# KiCad board espiff_v3_1.kicad_pcb (continued)
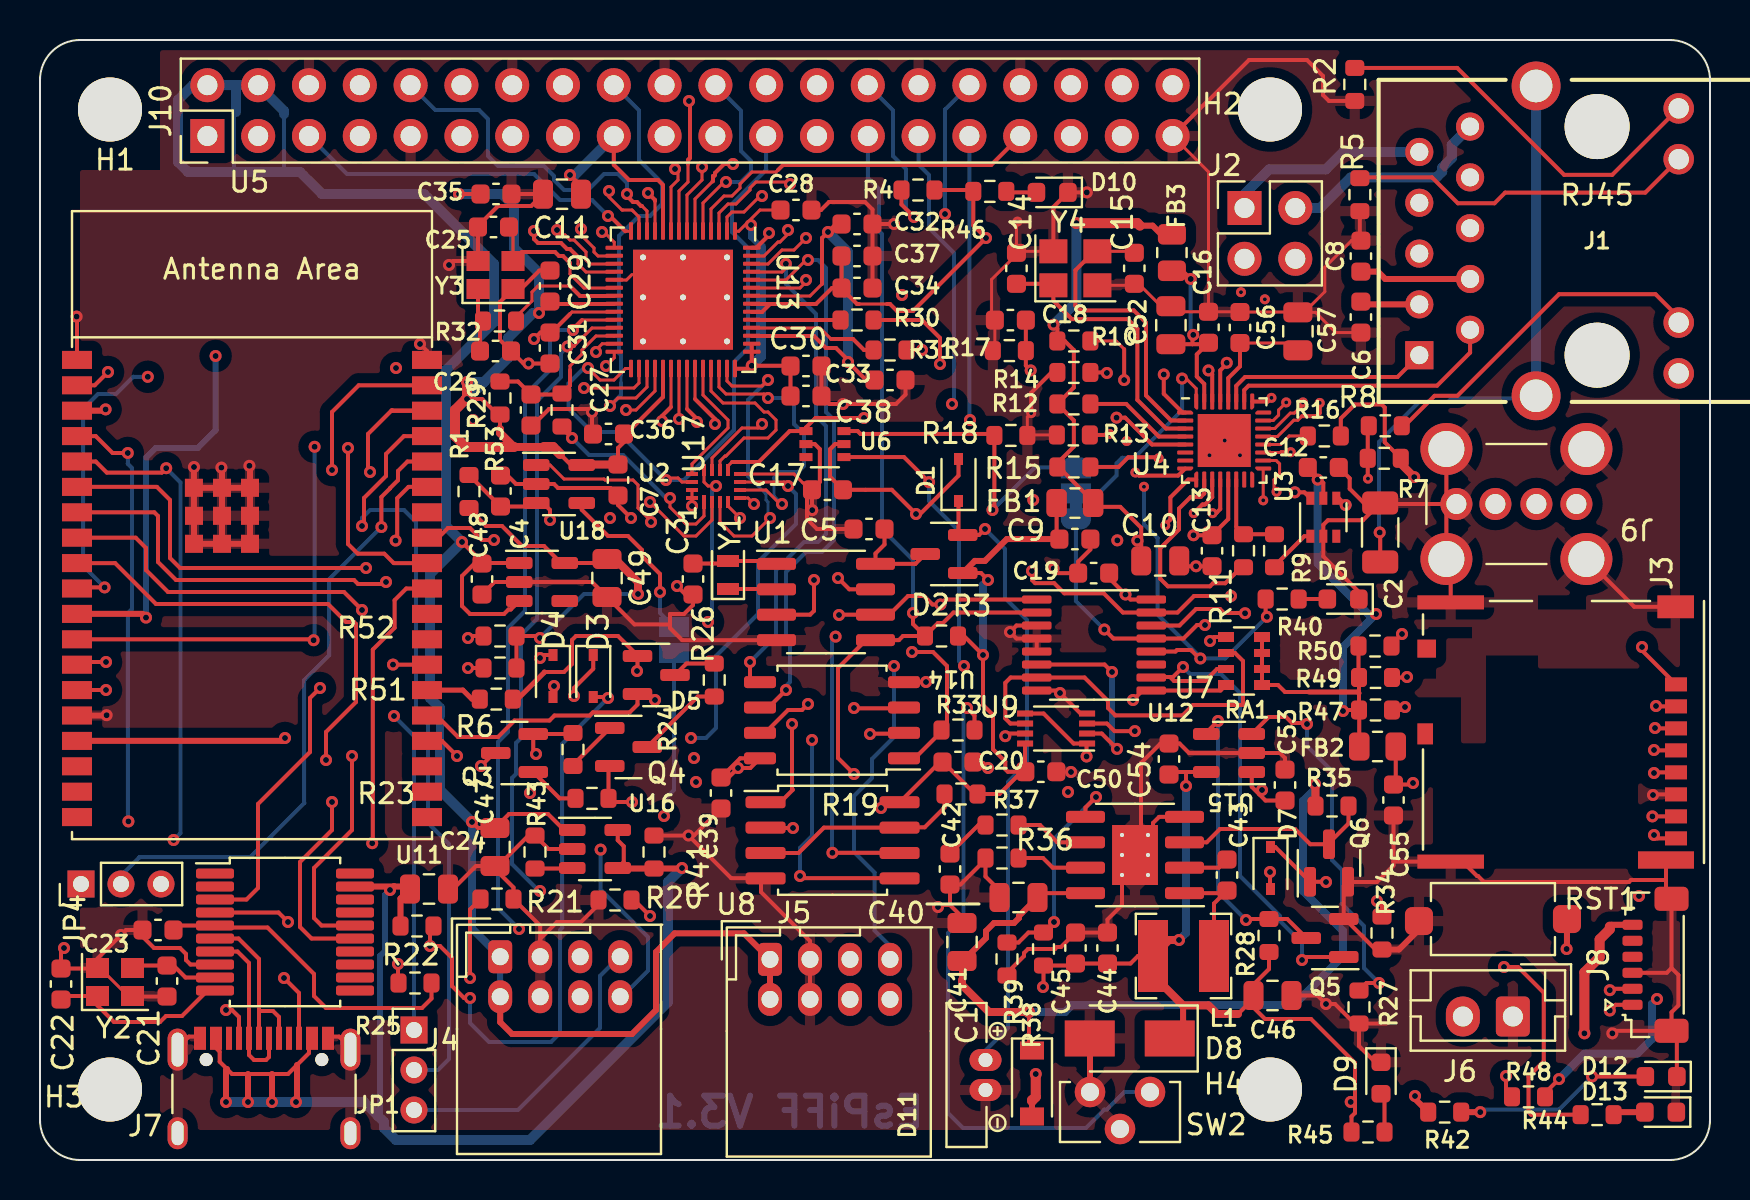
[diagram p0: board, top side]
## Footprints (pads in the part's own frame, mm; a bottom-side part is the same pattern mirrored in y, then rotated) (continued)
  rrect 0.2x0.8 smd: 10(-1,-1.95) 11(-0.6,-1.95) 12(-0.2,-1.95) 13(0.2,-1.95) 14(0.6,-1.95) 15(1,-1.95) 26(1,1.95) 27(0.6,1.95) 28(0.2,1.95) 29(-0.2,1.95) 30(-0.6,1.95) 31(-1,1.95)
  rect 2.65x2.65 smd: 33(0,0)
R_0603_1608Metric
  rrect 0.8x0.95 smd: 1(-0.825,0) 2(0.825,0)
R_0805_2012Metric
  rrect 1.025x1.4 smd: 1(-0.912,0) 2(0.912,0)
R_Array_Convex_4x0603
  rect 0.8x0.5 smd: 1(-0.9,1.2) 4(-0.9,-1.2) 5(0.9,-1.2) 8(0.9,1.2)
  rect 0.8x0.4 smd: 2(-0.9,0.4) 3(-0.9,-0.4) 6(0.9,-0.4) 7(0.9,0.4)
SOIC8-1EP_3.9x4.9mm_P1.27_ThermalVias
  rrect 0.96x1.25 smd: (-0.57,0.75) (-0.57,-0.75) (0.57,0.75) (0.57,-0.75)
  rrect 1.95x0.6 smd: 1(-2.475,1.905) 2(-2.475,0.635) 3(-2.475,-0.635) 4(-2.475,-1.905) 5(2.475,-1.905) 6(2.475,-0.635) 7(2.475,0.635) 8(2.475,1.905)
  round 0.5 hole 0.2: 9(-0.65,1) 9(-0.65,0) 9(-0.65,-1) 9(0.65,1) 9(0.65,0) 9(0.65,-1)
  rect 1.8x2.5 smd far side: 9(0,0)
  rect 2.29x3 smd: 9(0,0)
SOIC8_5.23x5.23mm_P1.27mm_mdc
  rrect 1.6x0.6 smd: 1(-3.35,2.365) 2(-3.35,1.095) 3(-3.35,-0.175) 4(-3.35,-1.445) 5(3.85,-1.445) 6(3.85,-0.175) 7(3.85,1.095) 8(3.85,2.365)
SOIC8_W+N_combi
  rrect 2x0.6 smd: 1(-3.6,1.956) 2(-3.6,0.686) 3(-3.6,-0.584) 4(-3.6,-1.854) 5(3.6,-1.854) 6(3.6,-0.584) 7(3.6,0.686) 8(3.6,1.956)
SOIC-8_3.9x4.9mm_P1.27mm
  rrect 1.95x0.6 smd: 1(-2.475,1.905) 2(-2.475,0.635) 3(-2.475,-0.635) 4(-2.475,-1.905) 5(2.475,-1.905) 6(2.475,-0.635) 7(2.475,0.635) 8(2.475,1.905)
SolderJumper-2_P1.3mm_Open_Pad1.0x1.5mm
  rect 1x1.5 smd: 1(-0.65,0) 2(0.65,0)
SolderJumper-3_P1.3mm_Bridged12_RoundedPad1.0x1.5mm
  custom 1.05x1.5 smd: 1(-1.3,0) 3(1.3,0)
  rect 1x1.5 smd: 2(0,0)
SOT-23
  rrect 1.475x0.6 smd: 1(-0.938,0.95) 2(-0.938,-0.95) 3(0.938,0)
SOT-23-5
  rrect 1.325x0.6 smd: 1(-1.137,0.95) 2(-1.137,0) 3(-1.137,-0.95) 4(1.137,-0.95) 5(1.137,0.95)
SOT-363_SC-70-6
  rect 0.65x0.4 smd: 1(-0.95,0.65) 2(-0.95,0) 3(-0.95,-0.65) 4(0.95,-0.65) 5(0.95,0) 6(0.95,0.65)
SSOP-20_5.3x7.2mm_P0.65mm
  rrect 1.9x0.5 smd: 1(-3.5,2.925) 2(-3.5,2.275) 3(-3.5,1.625) 4(-3.5,0.975) 5(-3.5,0.325) 6(-3.5,-0.325) 7(-3.5,-0.975) 8(-3.5,-1.625) 9(-3.5,-2.275) 10(-3.5,-2.925) 11(3.5,-2.925) 12(3.5,-2.275) 13(3.5,-1.625) 14(3.5,-0.975) 15(3.5,-0.325) 16(3.5,0.325) 17(3.5,0.975) 18(3.5,1.625) 19(3.5,2.275) 20(3.5,2.925)
supercap_DMS3R3224R
  oval 1.1x1.6 hole 0.7: 1(0.75,0) 2(-0.75,0)
TSSOP-16_4.4x5mm_P0.65mm
  rrect 1.475x0.4 smd: 1(-2.862,2.275) 2(-2.862,1.625) 3(-2.862,0.975) 4(-2.862,0.325) 5(-2.862,-0.325) 6(-2.862,-0.975) 7(-2.862,-1.625) 8(-2.862,-2.275) 9(2.862,-2.275) 10(2.862,-1.625) 11(2.862,-0.975) 12(2.862,-0.325) 13(2.862,0.325) 14(2.862,0.975) 15(2.862,1.625) 16(2.862,2.275)
UQFN-16_1.8x2.6_P0.4mm
  rect 0.7x0.2 smd: 1(-0.8,0.6)
  rect 0.6x0.2 smd: 2(-0.8,0.2) 3(-0.8,-0.2) 4(-0.8,-0.6) 9(0.8,-0.6) 10(0.8,-0.2) 11(0.8,0.2) 12(0.8,0.6)
  rect 0.2x0.6 smd: 5(-0.6,-1.2) 6(-0.2,-1.2) 7(0.2,-1.2) 8(0.6,-1.2) 13(0.6,1.2) 14(0.2,1.2) 15(-0.2,1.2) 16(-0.6,1.2)
USB_A_C26235
  round 1.6 hole 1: 1(0.5,0) 2(2.5,0) 3(4.55,0) 4(6.5,0)
  round 2.6 hole 1.8: 5(0,2.75) 5(0,-2.75) 5(7,2.75) 5(7,-2.75)
USB_C_XKB_U262-16XN-4BVC11
  round 0.65 hole 0.65 unplated: (-2.67,2.585) (3.11,2.585)
  rect 0.3x1.15 smd: A1(-3.13,3.65) A4(-2.33,3.65) A5(-1.03,3.65) A6(-0.03,3.65) A7(0.47,3.65) A8(1.47,3.65) A9(2.77,3.65) A12(3.57,3.65) B1(3.27,3.65) B4(2.47,3.65) B5(1.97,3.65) B6(0.97,3.65) B7(-0.53,3.65) B8(-1.53,3.65) B9(-2.03,3.65) B12(-2.83,3.65)
  oval 1x2.1 hole 0.6x1.7: S1(-4.1,3.085) S1(4.54,3.085)
  oval 1x1.6 hole 0.6x1.2: S1(-4.1,-1.095) S1(4.54,-1.095)
VSSOP-8_2.3x2mm_P0.5mm
  rect 0.8x0.3 smd: 1(-1.55,0.75) 2(-1.55,0.25) 3(-1.55,-0.25) 4(-1.55,-0.75) 5(1.55,-0.75) 6(1.55,-0.25) 7(1.55,0.25) 8(1.55,0.75)

## Nets
+1V1: C31.2 C32.2 C33.2 U13.23 U13.45 U13.50
+5V: C44.1 C45.1 C46.1 C47.1 C48.1 C54.1 D8.1 J4.1 J4.2 J5.1 J5.2 J8.6 J10.2 J10.4 L1.2 R28.1 R38.1 R45.1 U12.5 U16.1 U18.1 U18.3
/3V3: C7.1 C9.1 C11.1 C12.1 C17.1 C19.1 C20.1 C28.2 C29.2 C30.2 C34.2 C35.2 C36.2 C37.2 C38.2 C39.1 C49.1 C50.1 D1.2 D2.1 FB1.1 FB2.1 J10.1 J10.17 R1.1 R3.1 R4.1 R19.1 R29.1 R46.1 R47.1 R48.1 R49.1 R50.1 R51.1 R52.1 RA1.1 RA1.2 RA1.3 RA1.4 U2.5 U3.5 U5.2 U6.5 U7.16 U8.8 U9.8 U13.1 U13.10 U13.22 U13.33 U13.42 U13.43 U13.44 U13.48 U13.49 U14.8 U17.15 U17.16 U18.5
/5V_microUSB: C24.1 D7.2 J7.A4 J7.A9 J7.B4 J7.B9 R22.1 R41.1 U11.19 U16.4 U16.5
/24Vin: C40.1 C41.1 D11.1 R35.1 U15.8
/ethernet/VDD33_PHY: C10.1 C13.1 FB1.2 FB3.2 J1.11 R7.1 R10.1 R12.1 R15.1 R16.1 U4.13
GND: C1.2 C2.2 C3.1 C4.2 C5.2 C6.2 C7.2 C8.2 C9.2 C10.2 C11.2 C12.2 C13.2 C14.1 C15.1 C16.2 C17.2 C18.2 C19.2 C20.2 C21.1 C22.1 C23.2 C24.2 C25.1 C26.1 C27.1 C28.1 C29.1 C30.1 C31.1 C32.1 C33.1 C34.1 C35.1 C36.1 C37.1 C38.1 C39.2 C40.2 C41.2 C42.2 C44.2 C45.2 C46.2 C47.2 C48.2 C49.2 C50.2 C52.2 C53.2 C54.2 C55.2 C56.2 C57.2 D6.1 D8.2 D9.1 D10.1 D12.1 D13.1 J3.6 J3.P1 J3.P2 J3.P3 J3.P4 J4.3 J4.4 J5.3 J5.4 J6.1 J7.A1 J7.A12 J7.B1 J7.B12 J7.S1 J8.3 J8.MP J9.4 J9.5 J10.6 J10.9 J10.14 J10.20 J10.25 J10.30 J10.34 J10.39 Q5.2 Q6.2 R2.2 R5.1 R13.2 R14.2 R17.2 R18.2 R20.2 R21.2 R27.2 R34.2 R36.2 R39.2 R41.2 R43.2 RST1.1 SW2.1 SW2.3 U1.4 U2.2 U3.2 U4.33 U5.1 U5.15 U5.38 U5.39 U6.2 U7.3 U7.4 U7.5 U7.8 U8.4 U9.4 U11.8 U12.2 U13.19 U13.57 U14.4 U15.4 U15.9 U16.2 U17.8 U18.2 Y2.2 Y2.4 Y3.2 Y3.4 Y4.2 Y4.4
/ESP32_EN: C4.1 Q3.3 R1.2 RST1.2 U2.3 U5.3 U7.15
/ESP_SCL: J10.28 R4.2 U1.6 U5.8 U7.1
/ESP_SDA: J10.27 R3.2 U1.5 U5.9 U7.2
/Eth_CRS_DV: U4.19 U5.12
/Eth_MDC: U4.22 U5.37
/Eth_MDIO: R10.2 U4.23 U5.30
/ETH_RefClock: R9.2 U3.1
/Eth_RXD0: U4.18 U5.10
/Eth_RXD1: U4.17 U5.11
/Eth_TX_EN: U4.5 U5.33
/Eth_TXD0: U4.9 U5.31
/Eth_TXD1: U4.8 U5.36
/ethernet/PHY_AD0: R7.2 R8.2 U4.11
/ethernet/PHY_AD3: J1.13 R5.2 U4.12
/ethernet/RD+: J1.1 U4.27
/ethernet/RD-: J1.2 U4.26
/ethernet/TD+: J1.5 U4.30
/ethernet/TD-: J1.6 U4.29
/GPIO0: D5.1 R6.1 U3.4
/GPIO2: D5.2 U5.24 U6.4
/HF_MISO: J4.5 JP4.3
/HF_MOSI: J4.7 JP1.3
/pico_SWCLK: J5.6 U13.24
/pico_SWDIO: J5.8 U13.25
/psu/EN_ESIB: Q6.3 R35.2 U15.3
/raspi_header/Pi_GPIO2_SDA: J10.3 R51.2 U13.13
/raspi_header/Pi_GPIO3_SCL: J10.5 R52.2 U13.14
/raspi_header/Pi_GPIO4_CLK0: J10.7 U13.35
/raspi_header/Pi_GPIO5_CLK1: J10.29 U13.36
/raspi_header/Pi_GPIO6_CLK2: J10.31 U13.37
/raspi_header/Pi_GPIO7_~{CS1}: J10.26 U13.16
/raspi_header/Pi_GPIO8_~{CS0}: J10.24 U13.28 U17.2
/raspi_header/Pi_GPIO9_MISO0: J10.21 U13.30 U17.11
/raspi_header/Pi_GPIO10_MOSI0: J10.19 U13.27 U17.5
/raspi_header/Pi_GPIO11_SCK0: J10.23 U13.29 U17.14
/raspi_header/Pi_GPIO12_PWM0: J10.32 U13.3
/raspi_header/Pi_GPIO13_PWM1: J10.33 U13.4
/raspi_header/Pi_GPIO14_TXD: J10.8 U13.11
/raspi_header/Pi_GPIO15_RXD: J10.10 U13.12
/raspi_header/Pi_GPIO16: J10.36 U13.6
/raspi_header/Pi_GPIO17: J10.11 U13.8
/raspi_header/Pi_GPIO18_PWM0: J10.12 U13.2
/raspi_header/Pi_GPIO19_MISO1: J10.35 U13.18
/raspi_header/Pi_GPIO20_MOSI1: J10.38 U13.15
/raspi_header/Pi_GPIO21_SCK1: J10.40 U13.17
/raspi_header/Pi_GPIO22: J10.15 U13.7
/raspi_header/Pi_GPIO23: J10.16 U13.9
/raspi_header/Pi_GPIO24: J10.18 U13.31
/raspi_header/Pi_GPIO25: J10.22 U13.5
/raspi_header/Pi_GPIO26: J10.37 U13.32
/raspi_header/Pi_GPIO27: J10.13 U13.34
/raspi_header/QSPI_SCK: U13.52 U14.6
/raspi_header/QSPI_~{SS}: R33.1 U13.56 U14.1
/raspi_header/SPI2ESP_~{CS}: U9.7 U17.4
/raspi_header/~{USB_BOOT}: R33.2 SW2.2
/RTC_CLKOUT: U1.7 U5.6
/RTC_VCC: C5.1 D2.3 U1.8
/RTC_WTI: JP2.2 RA1.8 U7.9
/RTC_~{INT}: U1.3 U5.7
/SPI_MISO: J3.7 U6.1 U8.2 U17.9
/SPI_MOSI: J3.3 R47.2 U5.23 U8.5 U17.7
/SPI_SCK: J3.5 U5.13 U8.6 U17.12
/TFT_MISO: J4.6 J8.2 U5.5
/TFT_MOSI: J4.8 J8.1 U5.29
/TR00: J1.10 J2.2
/TR01: J1.9 J2.1
/TR02: J2.4
/TR03: J2.3
/U0RXD: D4.2 JP4.1 R25.2
/U0TXD: D3.1 JP1.1
/U8_PU_3_7: R19.2 U8.3 U8.7
/UHF_MISO: J5.5 U5.4
/UHF_MOSI: J5.7 U5.26
/usb_uart/USBc_D+: J7.A6 J7.B6 U11.6
/usb_uart/USBc_D-: J7.A7 J7.B7 U11.7
/~{PHY_Reset}823: JP3.3 R18.1 U2.1 U3.6 U6.6
/~{PHY_Reset}_I2C: JP3.1 R42.2 U7.13
/~{SPI_CS0}: U5.16 U9.1 U9.5
/~{SPI_CS1}: U5.14 U8.1
/~{SPI_PICO}: RA1.5 U7.6 U9.2
/~{SPI_SDcard}: RA1.6 U7.7 U9.6
/~{sw_SPI2ESP32}: R40.2 R53.2 U7.12 U17.1
/~{USB_Host_PWR}: Q5.1 RA1.7 U7.10
Net-(C1-Pad1): C1.1 D1.1 D2.2
Net-(C2-Pad1): C2.1 J1.GND
Net-(C3-Pad2): C3.2 U1.1 Y1.2
Net-(C6-Pad1): C6.1 J1.3
Net-(C8-Pad1): C8.1 J1.4
Net-(C14-Pad2): C14.2 U4.3 Y4.1
Net-(C15-Pad2): C15.2 U4.2 Y4.3
Net-(C16-Pad1): C16.1 C52.1 FB3.1 U4.31
Net-(C18-Pad1): C18.1 JP3.2 R17.1 U4.32
Net-(C21-Pad2): C21.2 U11.9 Y2.3
Net-(C22-Pad2): C22.2 U11.10 Y2.1
Net-(C23-Pad1): C23.1 R25.1 U11.5
Net-(C25-Pad2): C25.2 U13.20 Y3.3
Net-(C26-Pad2): C26.2 R32.1 Y3.1
Net-(C27-Pad2): C27.2 R29.2 R53.1 U13.26
Net-(C42-Pad1): C42.1 R37.2
Net-(C43-Pad1): C43.1 U15.2
Net-(C43-Pad2): C43.2 L1.1 U15.1
Net-(C53-Pad1): C53.1 J9.1 U12.1
Net-(C55-Pad1): C55.1 FB2.2 J3.4
Net-(C56-Pad1): C56.1 C57.1 U4.28
Net-(D3-Pad2): D3.2 R22.2 U11.4
Net-(D4-Pad1): D4.1 U11.3
Net-(D5-Pad3): D5.3 R26.2
Net-(D6-Pad2): D6.2 R40.1
Net-(D7-Pad1): D7.1 Q6.1 R34.1
Net-(D9-Pad2): D9.2 R45.2
Net-(D10-Pad2): D10.2 R46.2
Net-(D11-Pad2): D11.2 J6.2
Net-(D12-Pad2): D12.2 R42.1
Net-(D13-Pad2): D13.2 R44.1
Net-(J1-Pad12): J1.12 R8.1
Net-(J1-Pad14): J1.14 R2.1
Net-(J3-Pad1): J3.1 R50.2
Net-(J3-Pad2): J3.2 R49.2 U9.3
Net-(J3-Pad8): J3.8 R48.2
Net-(J7-PadA5): J7.A5 R20.1
Net-(J7-PadB5): J7.B5 R21.1
Net-(J9-Pad2): J9.2 R31.1
Net-(J9-Pad3): J9.3 R30.1
Net-(JP1-Pad2): JP1.2 U5.35
Net-(JP2-Pad1): JP2.1 U2.4
Net-(JP4-Pad2): JP4.2 U5.34
Net-(Q3-Pad1): Q3.1 R23.2
Net-(Q3-Pad2): Q3.2 R24.1 U11.16
Net-(Q4-Pad1): Q4.1 R24.2
Net-(Q4-Pad2): Q4.2 R23.1 U11.15
Net-(Q4-Pad3): Q4.3 R26.1
Net-(Q5-Pad3): Q5.3 R28.2 U12.4
Net-(R6-Pad2): R6.2 U5.25
Net-(R11-Pad1): R9.1 R11.1 U4.14
Net-(R11-Pad2): R11.2 U4.10
Net-(R12-Pad2): R12.2 U4.4
Net-(R13-Pad1): R13.1 U4.25
Net-(R14-Pad1): R14.1 U4.1
Net-(R15-Pad2): R15.2 U4.21
Net-(R16-Pad2): R16.2 U4.20
Net-(R27-Pad1): R27.1 U12.3
Net-(R30-Pad2): R30.2 U13.47
Net-(R31-Pad2): R31.2 U13.46
Net-(R32-Pad2): R32.2 U13.21
Net-(R36-Pad1): R36.1 U15.7
Net-(R37-Pad1): R37.1 U15.6
Net-(R38-Pad2): R38.2 R39.1 U15.5
Net-(R43-Pad1): R43.1 U16.3
Net-(R44-Pad2): R44.2 U7.14
Net-(U1-Pad2): U1.2 Y1.1
Net-(U13-Pad38): U13.38 U17.13
Net-(U13-Pad39): U13.39 U17.10
Net-(U13-Pad40): U13.40 U17.6
Net-(U13-Pad41): U13.41 U17.3
Net-(U13-Pad51): U13.51 U14.7
Net-(U13-Pad53): U13.53 U14.5
Net-(U13-Pad54): U13.54 U14.3
Net-(U13-Pad55): U13.55 U14.2

Pads without a net: J1 7 8; J3 9 10; J7 A8 B8; J8 4 5; U3 3; U4 6 7 15 16 24; U5 17 18 19 20 21 22 27 28 32; U6 3; U7 11; U11 1 2 11 12 13 14 17 18 20; U18 4

## Via types
v1: diameter 0.6, hole 0.3, Top to Bottom, 282 vias
v2: diameter 0.5, hole 0.2, Top to Bottom, 23 vias

## Routing (per net, layer and track width the routed paths; a pad name or vN(x,y) marks a point on that pad's centre or on a via; arc(x,y) is an arc through that point)
+1V1: length 43.9
  Top w0.15: 39.1,43.8 38.5,43.2 35.59,43.2 ; 26.5,42.3 26.6,42.4 28.71,42.4
  Top w0.2: v1(40.4,39.9) 41.3,39 C33.2 ; 40.35,40.05 39.8,40.6 39.3,40.6 38.7,41.2 35.59,41.2 ; 40.08,46.8 39.8,46.8 v1(39.4,46.4) 39.1,46.1 39.1,43.8 ; 26.5,42.3 25.58,41.38 C31.2 25.02,41.38 v1(24.7,41.05)
  In2.Cu w0.4: 40.4,41.05 39.3,42.15 28.1,42.15 27.7,42.55 26.55,42.55 25.9,41.9 25.9,41.75 25.2,41.05 v1(24.7,41.05)
  In2.Cu w0.5: 40.4,41.05 v1(40.4,39.9)
  Bottom w0.5: v1(39.4,46.4) 40.4,45.4 v1(40.4,39.9)
+5V: length 189.6
  Top w0.2: U18.1 22.12,29.85 C48.1 ; C48.1 22.1,29.9 v1(21.1,30.9) ; C48.1 21.73,29.83 21.1,29.2 21.1,27.7 21.5,27.3 23.2,27.3 23.43,27.53 23.54,27.53 U18.3 ; 57.3,19.4 56.58,19.4 C54.1 ; 57.3,19.4 v1(57.3,18.7) ; 57.3,19.4 U12.5 ; U16.1 26.2,16.5 25.4,17.3 23.45,17.3 C47.1 21.9,16.6 v1(21.6,16.9) ; C46.1 60.67,8.08 59.9,7.3 ; C46.1 60.67,7.62 61.25,7.05 63.55,7.05 65.75,4.85 65.75,2.35 65.58,2.17 R45.1 ; C46.1 60.67,8.78 61.45,9.55 R28.1 ; v1(50.15,8.65) 50.17,8.67 R38.1 51.67,9.72 C45.1 C44.1 54.53,9.83 54.9,10.2 L1.2
  Top w0.3: D8.1 57.15,6.75 57.15,7.73 ; J4.2 23.01,6.89 23.6,6.3 29.6,6.3 30.8,7.5 30.8,10.4 31.73,11.33 35.2,11.33 J5.1 J5.2 ; J8.6 78.58,11.76 78.49,11.67
  Top w0.4: v1(56.95,11) 56.45,11 L1.2 55.65,9.23 57.15,7.73 58.42,7.73 58.85,7.3 59.9,7.3
  Top w0.5: v1(77.22,6.33) 77.22,9.38 77.98,10.14 77.98,11.03 78.49,11.54 78.49,11.67
  In2.Cu w0.4: v1(50.15,8.65) 46.5,8.65 44.15,6.3 37.4,6.3 36.5,7.2 J5.2
  In2.Cu w0.5: v1(77.22,6.33) 76.2,6.33 74.68,4.81 74.68,3.79 74.05,3.16 72.9,3.16 71.76,4.3 66.93,4.3 v1(65.54,2.9)
  Bottom w0.2: 9.8,52.4 9.7,52.3 9.7,49.4 ; 12.2,52.3 12.2,49.4
  Bottom w0.3: J4.2 J4.1
  Bottom w0.4: v1(56.95,11) 57.3,11.35 v1(57.3,18.7) ; v1(21.6,16.9) 21.6,11.57 J4.1 ; 20,22.2 20,20.7
  Bottom w0.5: v1(21.6,16.9) 20,18.5 20,20.7 ; 9.8,52.4 9.8,53.7 9.84,53.74 ; 9.84,53.74 J10.4 12.2,52.45 12.2,52.3 ; 9.84,53.74 J10.2 7.64,53.74 6.9,53 6.9,49.9 7.4,49.4 13,49.4 14.1,48.3 19.2,48.3 22.7,44.8 22.7,41.9 20.3,39.5 20.3,31.7 v1(21.1,30.9) 19.5,29.3 19.5,23.1 20,22.6 20,22.2
/3V3: length 389.3
  Top w0.15: 40.95,42.8 42.35,42.8 ; U17.15 U17.16 v1(32.6,32.7) ; C28.2 36,47.5 34.94,46.44 34.75,46.44
  Top w0.2: R47.1 65.96,22.49 FB2.1 ; R47.1 R49.1 65.92,24.15 R50.1 ; R47.1 65.2,22.5 v1(65.15,22.45) ; v1(3.4,39.4) 2.73,38.73 U5.2 ; 44.72,48.5 46.59,48.5 R46.1 46.67,46.73 v1(47.3,46.1) 43.65,42.45 42.85,42.45 42.5,42.8 42.35,42.8 ; C7.1 28.9,35.6 29.2,35.9 29.2,36.6 ; C20.1 45.15,19.9 46.75,18.3 R19.1 47.97,18.3 49.25,19.58 49.25,20.8 ; v1(35.59,39.71) 35.59,40.8 ; v1(35.59,39.71) 35.44,39.56 34.75,39.56 ; v1(35.59,39.71) 37.51,39.71 C30.2 C38.2 ; 31.15,46.44 31.15,48.75 30.9,49 29.45,49 28.69,49.76 J10.17 ; C19.1 53.46,29.09 v1(54.28,28.27) 54.53,28.02 U7.16 ; 43.2,17.91 43.2,18.1 44.92,19.81 44.92,19.85 44.95,19.85 ; 26,35.3 26.55,34.75 U2.5 ; v1(75.95,4.05) 75.25,3.35 R48.1 ; FB1.1 50.83,31.18 C9.1 ; 40.08,43.6 40.08,43.58 40.85,42.8 40.95,42.8 ; 40.08,43.6 40.08,45.2 ; 40.08,43.6 39.6,43.6 38.8,42.8 36.5,42.8 ; 31.15,39.56 31.15,38.15 29.3,36.3 C36.2 ; RA1.4 RA1.3 RA1.2 RA1.1 61.9,23.75 62.25,23.4 63.45,23.4 ; D1.2 45.92,34.22 44.01,32.3 v1(43.8,32.3) 42.59,33.51 C17.1 39.5,34.16 39.5,35.54 39.75,35.8 U6.5 ; v1(63.89,34.02) 63.39,34.51 C12.1 64.16,33.85 U3.5 ; v1(35.55,46.75) 35.5,46.75 35.38,46.88 ; 35.59,42.8 36.5,42.8 ; 36.5,42.8 36.1,42.4 35.59,42.4 ; D2.1 47.05,29.35 v1(47.4,29) ; R51.1 R52.1 24.9,26.2 v1(25,26.1) ; v1(42.05,17.6) 42.36,17.91 43.25,17.91 ; v1(21.35,38.05) 22.1,38.05 22.88,37.27 R29.1 23,36.55 ; C50.1 48.39,19.41 48.26,19.54 48.26,19.92 47.65,20.53 47.65,22.25 47.15,22.75 v1(47.15,25.25) 46.2,26.2 R3.1 ; v1(26.5,49.25) 26.8,48.95 26.8,48.54 C11.1 ; 21.45,32.55 22.3,31.7 23.1,31.7 24.1,30.7 25.2,30.7 26.05,29.85 U18.5 28.15,29.85 C49.1 ; C35.2 v1(20.95,48.3) ; 28.71,42.8 25.62,42.8 25.5,42.92 25.5,42.9 v1(24.95,42.35) ; C39.1 35.01,20.09 U14.8 35.52,19.6 v1(34.9,19.6) 34.42,19.12 C39.1
  Top w0.25: 63.45,23.4 65.89,23.4 65.95,23.34
  Top w0.3: D2.1 46.74,29.95 47.25,29.95 48.34,31.05 C9.1
  Top w0.4: C7.1 27.11,34.77 U2.5 ; v1(29.9,28.3) 29.9,28.9 28.75,30.05 C49.1 ; 25.2,35.65 23.7,35.65 23,36.35 23,36.55
  Top w0.5: 25.2,35.65 25.65,35.65 26,35.3 ; 23.7,35.65 21.3,35.65 20.75,36.2 20.75,37.5 21.3,38.05 v1(21.35,38.05) v1(21.35,38.9)
  In2.Cu w0.4: 80.8,11.15 80.8,14.35 81.85,15.4 81.85,26.75 80.6,28 67.5,28 v1(66.8,27.3)
  In2.Cu w0.5: v1(54.28,28.27) 58.2,28.27 59.19,27.29 59.19,26.78 59.69,26.27 63.89,26.27 64.91,27.3 v1(66.8,27.3) ; v1(80.85,8.05) 80.15,8.75 80.15,10.5 80.8,11.15
  In2.Cu w0.8: v1(20.95,48.3) 21.9,49.25 v1(26.5,49.25) ; v1(54.28,28.27) 53.72,28.27 53.4,27.95 49.7,27.95 49.4,28.25 48.3,28.25 47.55,29 v1(47.4,29)
  In3.Cu w1: v1(43.8,32.3) 43.8,31.9 46.7,29 v1(47.4,29)
  In4.Cu w0.4: v1(47.3,46.1) 41.1,46.1 39.8,47.4 36.2,47.4 v1(35.55,46.75) ; 36.4,17.6 v1(42.05,17.6)
  In4.Cu w0.5: 22.95,38.05 22.1,38.9 v1(21.35,38.9) 20.35,38.9 19.5,38.05 ; v1(35.59,39.71) 35.61,39.71 36.3,40.4 ; v1(34.9,19.6) 34.9,19.1 36.4,17.6 ; 38.05,27.85 38.9,27.85 39.3,28.25 40.75,28.25 ; v1(32.6,32.7) 32.6,34.7 32.5,34.8
  In4.Cu w0.8: 44,28.85 47.25,28.85 v1(47.4,29) ; 23.6,34.4 23.6,31.8 24.5,30.9 27,30.9 29.1,28.8 29.4,28.8 v1(29.9,28.3)
  In4.Cu w1: v1(20.95,48.3) 20.9,48.3 20,49.2 8.8,49.2 8.37,49.63 J10.1 ; 38.05,27.85 37.8,28.1 32.9,28.1 32.05,27.25 30.54,27.25 29.9,27.89 v1(29.9,28.3) ; 44,28.85 42.6,28.85 42,28.25 40.75,28.25 ; 22.9,37.09 21.94,38.05 v1(21.35,38.05) 6.5,38.05 6.15,37.7 5,37.7 3.4,39.3 v1(3.4,39.4) ; 22.9,37.09 22.95,37.14 22.95,38.05 ; 22.9,37.09 22.9,35.1 23.6,34.4 23.9,34.7 29.6,34.7 30.4,35.5 31.8,35.5 32.5,34.8 ; v1(43.8,32.3) 42.8,32.3 38.1,37 38.1,38.8 38.2,38.9 38.2,39 36.8,40.4 36.3,40.4
  Bottom w0.2: v1(29.9,28.3) 27.2,28.3 v1(25,26.1)
  Bottom w0.3: v1(35.55,46.75) 35.55,46.15 36.05,45.65
  Bottom w0.4: v1(47.15,25.25) 47.15,28.75 v1(47.4,29) ; v1(21.35,38.05) v1(21.35,38.9) ; v1(80.85,8.05) 80.6,7.8 80.6,6.05 79.87,5.32 77.22,5.32 v1(75.95,4.05) ; v1(65.15,22.45) 65.15,25.65 v1(66.8,27.3) 66.41,27.3 63.89,29.83 v1(63.89,34.02)
  Bottom w0.5: v1(35.59,39.71) 36.05,40.17 36.05,45.65 ; 22.2,38.9 v1(21.35,38.9) ; 22.2,38.9 23.4,40.1 23.4,41.1 24.65,42.35 v1(24.95,42.35) 24.95,44.35 23.7,45.6 23.7,47.7 23.1,48.3 v1(20.95,48.3) ; 22.2,38.9 v1(21.35,38.05) ; J10.17 26.74,49.25 v1(26.5,49.25)
/5V_microUSB: length 102.1
  Top w0.2: 13.75,6.17 13.45,6.17 13.45,5.35 12.4,4.3 9.6,4.3 8.98,4.92 8.98,5.42 8.65,5.75 8.65,6.17 8.95,6.17 ; D7.2 61.5,13.58 v1(61.5,14.4) ; U16.5 28.89,15.99 29.19,15.69 29.19,14.9 U16.4
  Top w0.3: v1(9.3,2.9) 9.3,4.5 9.35,4.55 ; 12.85,4.75 12.85,2.95 v1(12.8,2.9) ; 17.73,13.67 18.38,13.67 C24.1 18.02,13.08 R22.1 ; 17.73,13.67 17.67,13.67 v1(17.5,13.5) ; 17.73,13.67 U11.19 ; 10.4,4.3 v1(10.4,2.9) ; U16.4 28.91,14.58 R41.1 32.08,14.58 v1(32.1,14.6) ; 11.6,4.3 v1(11.6,2.9)
  In2.Cu w0.4: v1(32.1,14.6) 36.4,14.6 37.1,15.3 38.35,15.3 39.05,14.6 39.05,14.5 39.15,14.4 39.85,14.4 40.55,15.1 50.85,15.1 53,12.95 58.35,12.95 59.8,14.4 v1(61.5,14.4)
  Bottom w0.3: 16.9,2.2 17,2.3 17,10.2 17.25,10.45 17.25,13.25 v1(17.5,13.5)
  Bottom w0.5: v1(9.3,2.9) v1(10.4,2.9) v1(11.6,2.9) v1(12.8,2.9) 16.2,2.9 17.2,1.9 17.2,1.6 17.8,1 24.5,1 31.4,7.9 31.4,13.9 v1(32.1,14.6)
/24Vin: length 42.6
  Top w0.2: D11.1 49.45,5.62 v1(49.45,7.4) ; C40.1 50.09,13.34 U15.8
  Top w0.3: C40.1 48.95,12.2 48.95,12.1 48.7,11.85 47.7,11.85 47.3,11.45 47.3,11.1 46.15,9.95 C41.1 46.1,9 ; 49.6,5.5 D11.1
  Top w0.4: v1(63.75,18.8) 63.78,18.77 63.78,17.7 ; 46.1,9 46.1,8.75 47.45,7.4 v1(49.45,7.4)
  Bottom w0.4: v1(49.45,7.4) 51.25,7.4 51.6,7.75 62.7,7.75 65.15,10.2 65.15,11.45 63.15,13.45 63.15,17.95 63.75,18.55 v1(63.75,18.8)
/ethernet/VDD33_PHY: length 74
  Top w0.2: R7.1 67.24,35.88 67.24,37.62 67.09,37.78 65.74,37.78 65.04,37.08 R16.1 ; 55.06,30.91 55.06,31.61 54.01,32.66 52.85,32.66 FB1.2 52.66,32.93 50.93,34.65 R15.1 50.87,34.84 51.69,35.67 51.69,36.98 R12.1 51.69,38.63 51.69,40.49 51.24,40.95 R10.1 50.87,41.57 v1(50.68,41.77) ; 55.06,30.91 54.93,30.91 v1(54.87,30.97) ; 55.06,30.91 C10.1 ; U4.13 59.41,32.05 C13.1 v1(57.67,31.24)
  Top w0.3: 55,46.72 55.63,46.72 56.06,46.28 FB3.2
  Top w0.4: v1(68.71,34.15) 68.04,34.82 R7.1
  Top w0.5: 55,46.72 54.87,46.84 v1(51.82,46.84)
  In2.Cu w0.2: J1.11 80.27,41 80.27,41.51 79.25,42.53 75.82,42.53 71,37.7 69.73,37.7 68.2,36.18 68.2,34.65 v1(68.71,34.15)
  In2.Cu w0.4: v1(54.87,30.97) 57.41,30.97 v1(57.67,31.24) 58.07,30.84 65.41,30.84 v1(68.71,34.15)
  Bottom w0.5: v1(51.82,46.84) 51.82,42.91 v1(50.68,41.77)
GND: length 779
  Top w0.15: U17.8 37.7,34.3 38.15,33.85 38.35,33.85 ; C14.1 48.82,46.87 v2(48.87,46.92) ; C14.1 48.9,45.43 Y4.4 ; C14.1 48.82,45.27 47.58,44.03 47.58,42.16 C18.2 47.74,40.57 R17.2 ; J10.39 58.42,49.41 C16.2 ; Y2.4 3,9.6 4.4,8.2 Y2.2 ; C8.2 65.57,45.97 64.24,44.64 64.24,43.42 63.21,42.38 C57.2 ; C6.2 64.79,41.37 63.77,42.38 C57.2 ; C16.2 59.99,42.41 C56.2 62.88,42.4 C57.2 ; C16.2 56.82,42.41 C52.2 56.05,42.69 54.93,43.81 C15.1 54.64,43.73 Y4.2 ; v2(49.56,37.35) 49.37,37.15 R18.2 49.39,36.25 R13.2 ; 28.71,44 29.33,44 29.6,44.27
  Top w0.2: v2(49.56,37.35) 49.56,38.36 50.58,39.38 R14.2 ; U7.5 U7.4 48.83,26.08 v1(48.5,26.4) 48.83,26.73 U7.3 ; C30.1 C38.1 39.47,37.8 v1(40.15,37.8) 42.8,37.8 43.28,38.27 C33.1 ; 81.84,4.17 81.84,6.19 J8.MP ; R34.2 66.78,10.53 65.25,12.05 Q5.2 65.19,13.7 Q6.2 65.41,13.9 66.85,13.9 67.67,14.72 67.67,14.92 ; J3.P3 70.53,29.84 J9.5 70.32,32.3 J9.4 ; C32.1 41.62,47.52 41.25,47.9 39.45,47.9 39.05,47.5 C28.1 ; C32.1 C37.1 C34.1 ; C32.1 v1(42.7,46.8) ; 31.5,26.78 31.5,26.6 32.11,25.99 U1.4 ; 31.5,26.78 31.5,27.3 32.2,27.3 32.65,27.75 C3.1 32.28,28.27 v1(31.85,28.7) ; 31.5,26.78 29.72,26.78 28.35,28.15 C49.2 27.6,28.9 U18.2 22.73,28.9 C48.2 ; v2(60,35.24) 59.26,35.97 U4.33 ; U4.33 v2(59.24,35.97) ; U4.33 v2(58.47,35.24) ; D9.1 66.76,4.89 65.95,5.7 R27.2 ; J9.4 67.06,32.8 C2.2 ; J9.4 70.32,33.3 J9.5 ; 81.3,14.19 81.3,14.05 81.25,14 79.55,14 79.45,13.9 72.2,13.9 71.9,14.2 71.85,14.2 71.13,14.92 J3.P4 67.68,14.92 67.67,14.92 ; 81.3,14.19 J3.P2 ; 81.3,14.19 81.3,13.34 J8.MP 81.58,9.6 ; R27.2 67.33,6.83 ; R27.2 65.88,6.75 ; 23.58,48.3 25.14,48.3 C11.2 24.56,47.7 22.9,47.7 21.9,46.7 C25.1 Y3.4 20.65,44.95 v1(20.45,44.75) ; J3.P1 79.71,27.66 J9.5 ; J8.MP 78.75,6.46 v1(78.62,6.33) ; J8.MP 81.58,7.39 81.92,7.73 81.92,9.25 81.58,9.6 ; v1(19,40.8) 19.35,40.45 U5.38 ; 45.5,12.75 46.1,12.15 C41.2 ; 45.5,12.75 45.5,13.78 46.03,13.78 47.28,15.03 47.28,15.1 47.28,14.17 47.97,13.47 C40.2 ; 45.5,12.75 45,12.75 v1(44.9,12.65) ; 81.58,9.6 81.34,9.36 J8.3 ; v1(1.2,10.6) 1.05,10.45 C22.1 2.85,9.58 Y2.4 2.88,10.08 v1(4.05,11.25) 4.3,11.5 C23.2 5.12,11.17 5.7,10.6 7,10.6 7.3,10.3 7.3,10 7.52,9.78 U11.8 ; R39.2 48.35,9.35 49.2,10.2 49.2,10.35 49.4,10.55 50.75,10.55 50.85,10.65 51.05,10.65 C45.2 C44.2 53.38,12.03 54.1,12.75 U15.9 ; C8.2 65.99,46.02 R5.1 ; J5.4 J5.3 38.5,10.95 36.05,13.4 36.05,14.09 ; C13.2 57.23,29.69 C10.2 ; U15.4 55.95,17.16 55.65,16.85 55.65,16.5 U15.9 55.05,16.6 55.05,19.85 56.03,20.83 C54.2 56.97,20.83 57.45,20.35 U12.2 62,20.35 62.25,20.1 C53.2 ; C55.2 67.67,14.92 ; 38.35,33.85 38.35,32.05 38.85,31.55 C5.2 ; C21.1 4.65,8.17 ; J3.6 80.68,18.28 v1(80.65,18.25) ; v1(29.55,32.1) 28.9,32.75 C7.2 28.52,33.6 25.9,33.6 25.7,33.8 U2.2 23.8,33.8 23.38,34.23 C4.2 ; 6.88,5.61 7.45,6.17 7.85,6.17 ; C2.2 66.14,31.99 64.39,31.99 64.16,31.76 U3.2 64.16,30.18 65.94,28.4 D6.1 ; C2.2 66.19,32.85 65.49,33.56 65.49,34.08 C12.2 ; v1(1.83,42.17) 1.85,42.15 U5.1 ; v1(32.42,16.22) 34.56,14.09 36,14.09 ; v1(32.42,16.22) 30.7,16.22 ; v1(32.42,16.22) 32.7,16.22 C39.2 ; U6.2 38.74,35.8 38.99,35.54 38.99,33.9 38.6,33.51 38.6,32.51 v1(38.61,32.49) ; U16.2 25.42,15.55 24.75,16.22 24.42,16.22 22.9,14.7 C47.2 ; C47.2 21.8,14.7 20.65,13.55 C24.2 ; C47.2 22.75,14.55 23.67,13.62 R21.2 25.01,11.72 J4.3 25.01,11.06 25.85,11.9 27.05,11.9 27.92,12.78 R20.2 ; 46.47,19.85 47.15,19.85 v1(47.4,19.6) ; C29.1 24.98,44.48 24.05,43.55 Y3.2 23,42.9 23,41 C26.1 24.17,39.83 C31.1 ; 15.52,5.61 14.95,6.17 14.25,6.17 ; Y4.4 50.67,47.65 D10.1 v1(52.34,48.38) ; 24.67,36.73 C27.1 24.62,36.73 25.45,37.55 27.45,37.55 v1(27.6,37.4) 27.6,36.35 C36.1 ; U14.4 44.3,23.9 v1(44.3,23.9) ; U7.8 50.88,23.48 v1(51,23.35) 52.05,22.3 52.35,22.3 ; J10.39 58.33,52.9 58.35,52.9 60.45,55 63.35,55 64.15,54.2 64.15,53.25 64.45,52.95 R2.2 ; v1(50.68,29.57) 50.91,29.34 C19.2 51.91,29.92 52.52,30.53 C9.2 ; 65.72,6.83 64.75,7.8 v1(64.3,7.8) 63.88,8.22 C46.2
  Top w0.3: v1(9.07,34.62) 9.1,34.59 U5.39 ; U5.39 U5.39 U5.39 U5.39 ; U5.39 U5.39 ; U5.39 10.5,34.68 v1(10.47,34.71) ; U5.39 U5.39 U5.39 ; U5.39 U5.39 ; v1(7.7,34.65) 7.7,34.65 U5.39 ; U5.39 U5.39 U5.39 7.7,32.22 U5.39 ; D8.2 52.5,6.06 SW2.1 ; RST1.1 68.95,11.52 67.95,10.53 R34.2 ; U5.15 3.31,22.23 v1(3.33,22.24)
  In1.Cu w0.15: 47.72,48.31 48.87,47.15 v2(48.87,46.92)
  In1.Cu w0.2: 15.52,1.42 16.48,1.42 16.9,1 21.9,1 25.01,4.11 J4.4 J4.3 25.01,11.71 26,12.7 27.7,12.7 31.23,16.22 v1(32.42,16.22) ; 15.52,1.42 15.52,5.61 15.52,5.42 13.9,3.8 8.13,3.8 6.88,5.06 6.88,5.61 ; 15.52,1.42 6.88,1.42 6.88,5.61 ; 74.65,12.55 73.8,13.4 69.15,13.4 68.3,12.55 68.3,11.8 v1(64.3,7.8) 63.55,7.05 63.55,6.7 ; 74.65,12.55 77.95,12.55 ; 74.65,12.55 74.65,10.55 75.44,9.76 75.44,5.7 75.06,5.32 77.86,5.32 78.62,6.08 v1(78.62,6.33) ; v1(1.83,42.17) 2.93,42.17 4.35,40.75 4.35,38.4 7.7,35.05 v1(7.7,34.65) ; v1(52.34,48.38) 53.09,49.13 56.63,49.13 ; 24.42,37.83 22.6,36 21,36 20.55,36.45 14.85,36.45 13.58,37.73 10.56,34.71 v1(10.47,34.71) ; 24.42,37.83 v1(24.42,39.83) 21.17,39.83 19.85,41.15 ; 24.42,37.83 24.42,37.52 27.48,37.52 v1(27.6,37.4) 27.6,36.45 27.55,36.4 28.2,36.4 28.2,33.45 v1(29.55,32.1) 29.55,31 v1(31.85,28.7) ; v2(49.56,37.35) 48.57,36.36 48.57,35.17 46.45,33.05 46.45,31.15 48.53,29.07 48.57,29.07 48.57,28.5 ; v1(40.15,37.8) 41.6,37.8 42.5,38.7 42.5,46.6 v1(42.7,46.8) 42.4,46.8 38.85,50.35 J10.25 40.1,52.45 42.64,52.45 J10.30 45.22,52.45 47.72,52.45 ; v1(51.55,19.4) 51.35,19.6 v1(47.4,19.6) ; v1(51.55,19.4) 50.45,20.5 50.45,22.8 v1(51,23.35) 48.5,25.85 v1(48.5,26.4) ; v1(51.55,19.4) 51.88,19.08 ; 6.88,5.61 6.2,5.61 v1(1.2,10.6) 1.85,11.25 v1(4.05,11.25) ; 47.72,52.45 J10.34 ; 47.72,52.45 47.72,48.31 ; 19.85,41.15 19.8,41.2 19.8,43.1 20.45,43.75 v1(20.45,44.75) 20.72,44.75 22.33,43.13 U13.57 ; 19.85,41.15 19.5,40.8 v1(19,40.8) ; J5.3 38.5,11.5 39.65,12.65 v1(44.9,12.65) 52.5,12.65 U15.9 ; 56.63,49.13 J10.39 ; 56.63,49.13 58.68,47.08 58.68,44.18 59.07,43.78 59.07,41.52 60,40.6 v2(60,35.24) 60.74,35.24 61.7,36.2 68.1,36.2 68.75,35.55 J9.5 J9.5 78.7,34.17 78.7,31.43 J9.5 77.32,21.38 80.45,18.25 v1(80.65,18.25) ; v1(48.5,26.4) 48.5,24.45 47.95,23.9 v1(44.3,23.9) ; v1(48.5,26.4) 48.57,26.47 48.57,28.5 ; U13.57 32.15,47.8 30.05,49.9 30,49.9 30,52.51 J10.20 29.99,52.5 24.85,52.5 J10.14 22.37,52.5 19.83,52.5 J10.9 17.35,52.38 17.35,52.4 17.25,52.5 14.69,52.5 J10.6 ; 48.57,28.5 49.99,28.5 50.68,29.19 v1(50.68,29.57) 50.79,29.69 v1(57.8,29.69) ; C1.2 53.95,3.5 54,3.45 54,4.83 55.28,6.1
  In1.Cu w0.3: 51.88,19.08 54.88,19.08 55.4,18.55 U15.9 ; v1(10.47,34.71) 9.16,34.71 v1(9.07,34.62) 7.73,34.62 v1(7.7,34.65) 7.7,25.33 4.61,22.24 v1(3.33,22.24) ; 63.55,6.7 62.95,6.1 55.28,6.1 55.28,14.12 U15.9
  In1.Cu w0.4: J10.25 37.25,49.6 36.3,49.6 34.35,47.65 U13.57 ; 77.95,12.55 77.95,16.35 79.85,18.25 v1(80.65,18.25)
  In3.Cu w0.2: v1(40.15,37.8) 38.61,36.26 v1(38.61,32.49)
  Bottom w0.2: U13.57 U13.57 ; U13.57 32.15,42.93 U13.57 ; U13.57 32.23,43.01 U13.57 ; U13.57 U13.57 ; U13.57 32.27,43.01 U13.57 ; U13.57 U13.57 ; U13.57 U13.57 ; U13.57 U13.57
/ESP32_EN: length 137.6
  Top w0.2: v1(25.5,32) 25.5,32.5 25.15,32.85 U2.3 24.64,32.67 C4.1 R1.2 ; v1(59.55,28.2) 57.7,28.2 56.88,27.38 U7.15 54.14,27.38 53.19,28.33 51.22,28.33 50.71,28.84 49.76,28.84 49.6,29 v1(49.6,29.45) ; v1(22.05,19.7) 22.7,20.35 Q3.3
  Top w0.3: U5.3 3.22,37.47 v1(3.28,37.53) ; v1(76.33,10.55) 76.35,10.57 RST1.2
  In2.Cu w0.2: 10.52,37.08 11.5,36.1 11.5,32.4 12,31.9 13.4,31.9 13.85,32.35 17.85,32.35 18.2,32 v1(25.5,32)
  In2.Cu w0.3: v1(3.28,37.53) 3.73,37.08 10.52,37.08
  In3.Cu w0.2: v1(59.55,28.2) 57,28.2 55.7,26.9 55.7,18.15 56.85,17 56.85,14.85 56.7,14.7 56.7,13.15 59.3,10.55 59.3,8.6 61.2,6.7 63.5,6.7 64.85,5.35 64.85,5.2 67.9,2.15 69,2.15 69.7,2.85 69.7,4.05 69.67,4.08 69.67,5.03 70.35,5.7 74.93,5.7 76.33,7.09 v1(76.33,10.55) ; v1(22.05,19.7) 22.05,28.55 v1(25.5,32)
  In4.Cu w0.2: v1(49.6,29.45) 49.22,29.83 29.47,29.83 27.3,32 v1(25.5,32)
/ESP_SCL: length 88.1
  Top w0.2: U5.8 4.78,31.12 5.3,30.6 5.3,29.5 6.4,28.4 15.2,28.4 v1(16.1,27.5) ; U7.1 45.28,28.02 v1(45.03,27.77) 44.62,27.77 44.2,28.2 43.4,28.2 42.47,27.27 39.97,27.27 v1(39.95,27.25) ; R4.2 43.08,47.77 v1(43.7,47.15)
  In3.Cu w0.2: 48.6,30.1 48.6,28.5 47.7,27.6 45.2,27.6 v1(45.03,27.77)
  In3.Cu w0.25: 48.6,30.1 48.52,30.18 48.52,42.91 44.28,47.15 v1(43.7,47.15)
  In4.Cu w0.2: v1(16.1,27.5) 17.5,27.5 19.6,29.6 26,29.6 29.8,25.8 33.6,25.8 34.7,26.9 38.9,26.9 39.3,27.3 39.9,27.3 v1(39.95,27.25)
  Bottom w0.2: J10.28 42.65,52.48 42.65,50.2 43.3,49.55 43.3,47.55 v1(43.7,47.15)
/ESP_SDA: length 93.7
  Top w0.2: R3.2 44.9,26.85 45.15,26.85 45.67,27.38 U7.2 ; R3.2 43.15,26.2 42.94,25.99 41.3,25.99 39.9,24.6 39.9,20.1 v1(40.7,19.3) ; R3.2 43.65,26.8 v1(43.65,27.35) ; v1(14.3,20) 14.3,21.4 15.8,22.9 15.8,26.8 15.7,26.9 15.3,26.9 14.4,27.8 5.8,27.8 3.76,29.84 U5.9
  In2.Cu w0.2: v1(40.7,19.3) 39.7,18.3 31,18.3 30,19.3 28,19.3 27.85,19.15 24.2,19.15 23.6,18.55 21.15,18.55 20.8,18.9 16.65,18.9 16.05,19.5 14.8,19.5 v1(14.3,20)
  Bottom w0.2: J10.27 41.39,49.11 41.95,48.55 41.95,46.45 42.1,46.3 42.1,31.75 42.15,31.7 42.15,31.5 43.65,30 v1(43.65,27.35)
/Eth_CRS_DV: length 81.8
  Top w0.15: U4.19 62.05,35.37
  Top w0.2: v2(62.54,35.39) 62.06,35.39 62.05,35.37 ; U5.12 13.63,26.03 v1(13.68,25.99)
  In2.Cu w0.15: 61.24,38.69 57.66,38.69 57.33,38.36 51.67,38.36 49.61,36.3
  In2.Cu w0.2: 49.61,36.3 47.32,36.3 47.12,36.1 46.3,36.1 46,36.4 38,36.4 37.7,36.1 30.25,36.1 28.5,34.35 20.25,34.35 18.2,36.4 15.21,36.4 15.2,36.39 13.96,36.39 13.73,36.16 v1(13.73,35.66) ; 61.24,38.69 64.57,38.69 64.85,38.41 64.85,37.5 62.74,35.39 v2(62.54,35.39)
  Bottom w0.2: v1(13.73,35.66) 13.73,26.04 v1(13.68,25.99)
